# KiCad board Parallel.kicad_pcb
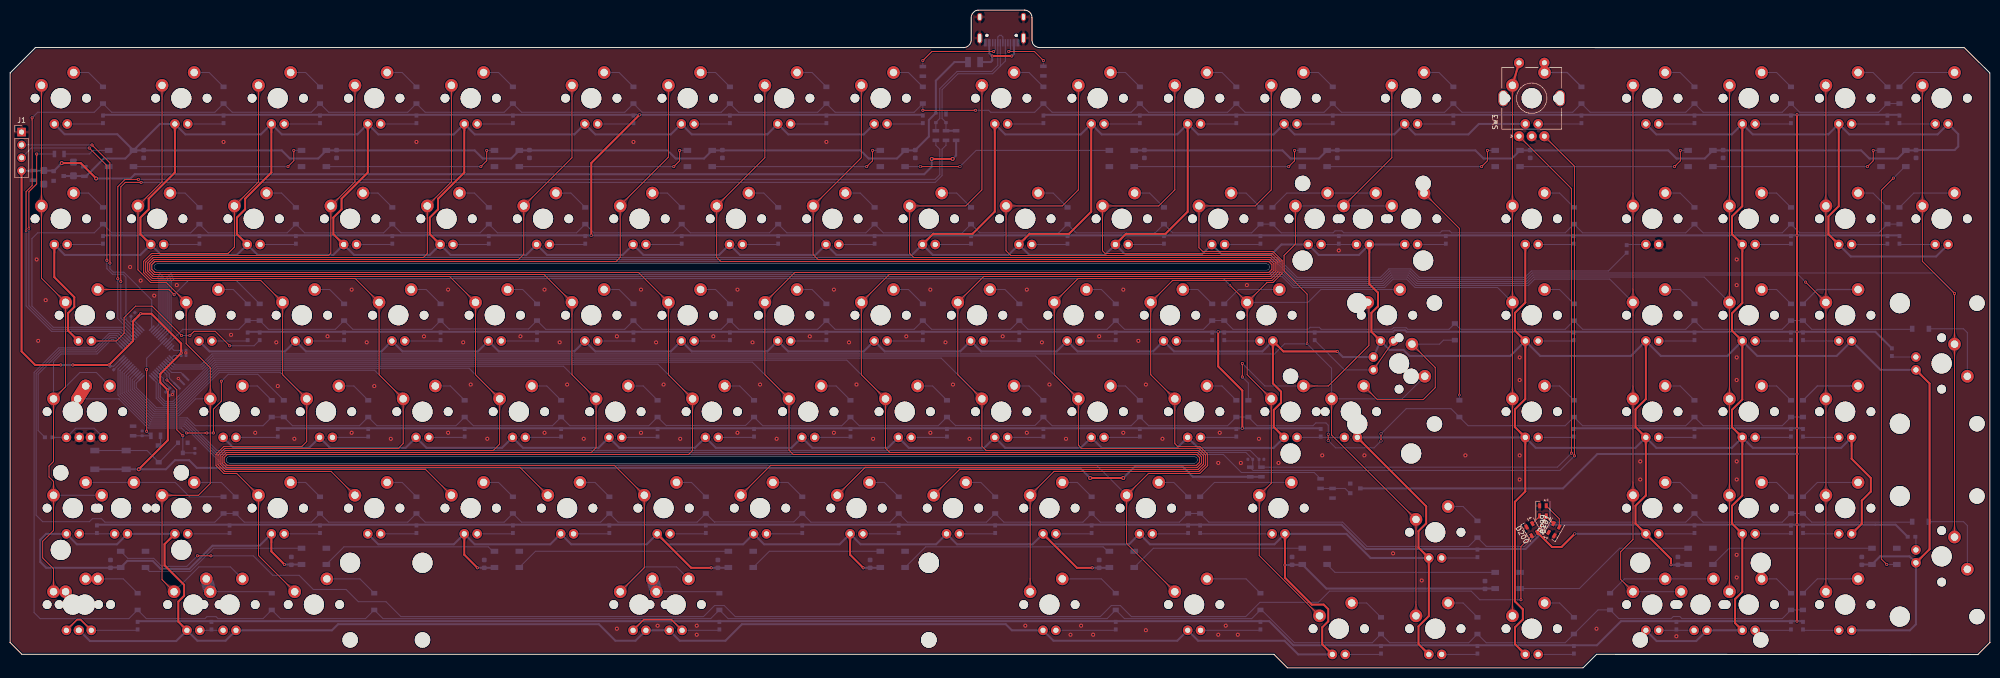
[diagram p0: board, top side]
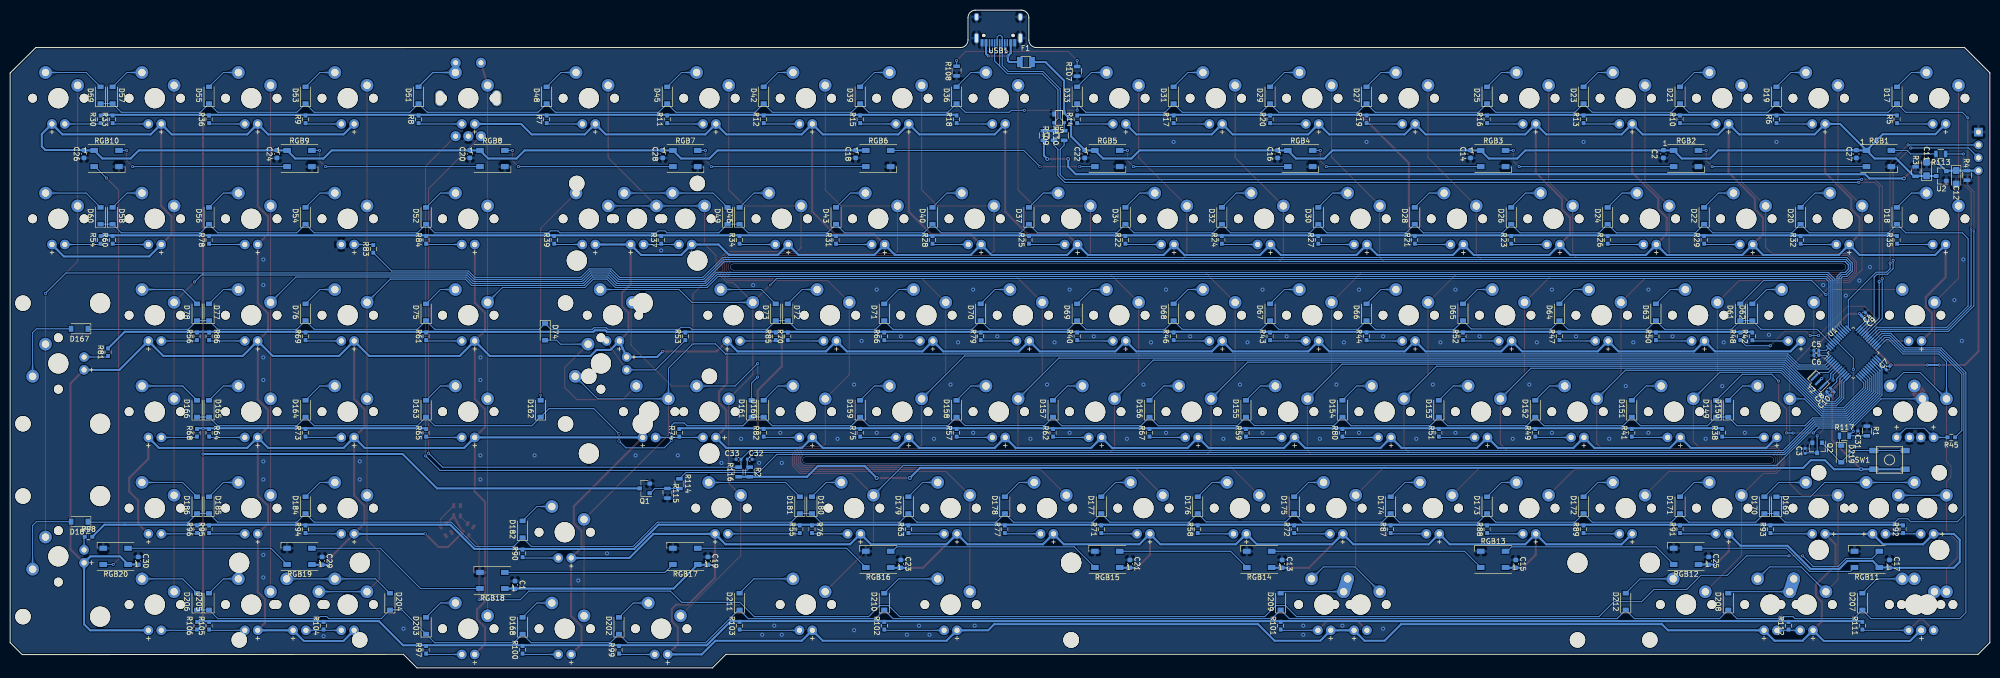
[diagram p1: board, bottom side, seen from below]

Outline 391 x 129.91 mm; copper layers: Top, Bottom. Coordinates in mm from the lower left corner of the outline.
Outline path: 0,117.51 5,122.51 188.31,122.51 arc(189.37,122.95) 189.81,124.01 189.81,128.41 arc(190.25,129.48) 191.31,129.91 200.32,129.91 arc(201.38,129.48) 201.82,128.41 201.82,124.01 arc(202.26,122.95) 203.32,122.51 385.92,122.51 391,117.48 391,5.01 388.62,2.62 313.31,2.68 310.63,0 252.29,0 249.61,2.68 2.33,2.68 0,5.01 0,117.51 ; 29.05,78.55 arc(28.42,79.18) 29.05,79.8 248.12,79.8 arc(248.75,79.18) 248.12,78.55 29.05,78.55 ; 43.34,40.43 233.84,40.43 arc(234.49,41.08) 233.84,41.73 43.34,41.73 arc(42.69,41.08) 43.34,40.43

## Placement (name value [footprint] x y rotation side)
C1  0.1uF  [C_0603_1608Metric]  291.29 16.37 270 bottom
C2  0.1uF  [C_0603_1608Metric]  64.47 101.5 270 bottom
C3  100nF  [C_0402_1005Metric]  36.49 42.86 270 bottom
C4  10uF  [C_0402_1005Metric]  24.96 69.84 315 bottom
C5  0.1uF  [C_0402_1005Metric]  34.26 62.71 180 bottom
C6  0.1uF  [C_0402_1005Metric]  34.26 61.71 180 bottom
C7  0.1uF  [C_0402_1005Metric]  20.12 59.23 135 bottom
C8  10nF  [C_0402_1005Metric]  31.86 54.9 135 bottom
C9  0.1uF  [C_0402_1005Metric]  24.21 69.09 315 bottom
C10  1uF  [C_0402_1005Metric]  31.11 54.15 135 bottom
C11  1uF  [CP_EIA-3216-10_Kemet-I]  12.51 98.54 90 bottom
C12  1uF  [CP_EIA-3216-10_Kemet-I]  6.67 96.89 270 bottom
C13  0.1uF  [C_0603_1608Metric]  139.78 20.54 270 bottom
C14  0.1uF  [C_0603_1608Metric]  102.57 101.5 270 bottom
C15  0.1uF  [C_0603_1608Metric]  93.64 20.54 270 bottom
C16  0.1uF  [C_0603_1608Metric]  140.67 101.5 270 bottom
C17  0.1uF  [C_0603_1608Metric]  19.82 20.54 270 bottom
C18  0.1uF  [C_0603_1608Metric]  224.02 101.5 270 bottom
C19  0.1uF  [C_0603_1608Metric]  253.19 21.13 270 bottom
C20  0.1uF  [C_0603_1608Metric]  300.22 101.5 270 bottom
C21  0.1uF  [C_0603_1608Metric]  169.84 20.54 270 bottom
C22  0.1uF  [C_0603_1608Metric]  178.77 101.5 270 bottom
C23  0.1uF  [C_0603_1608Metric]  215.09 20.54 270 bottom
C24  0.1uF  [C_0603_1608Metric]  338.32 101.5 270 bottom
C25  0.1uF  [C_0603_1608Metric]  55.54 21.13 270 bottom
C26  0.1uF  [C_0603_1608Metric]  376.42 101.5 270 bottom
C27  0.1uF  [C_0603_1608Metric]  26.37 101.5 90 bottom
C28  0.1uF  [C_0603_1608Metric]  262.12 101.5 270 bottom
C29  0.1uF  [C_0603_1608Metric]  329.39 21.13 270 bottom
C30  0.1uF  [C_0603_1608Metric]  365.7 21.13 90 bottom
C31  10uF (±5%)  [C_0402_1005Metric]  26.07 46.32 90 bottom
C32  0.01uF  [C_0402_1005Metric]  244.93 41.2 180 bottom
C33  0.01uF  [C_0402_1005Metric]  247.13 41.2 180 bottom
D1  LED  [MXOnly-LEDONLY]  10 112.51 0 top
D2  LED  [MXOnly-LEDONLY]  33.81 112.51 0 top
D3  LED  [MXOnly-LEDONLY]  276.7 112.51 0 top
D4  LED  [MXOnly-LEDONLY]  300.51 112.51 0 top
D5  LED  [MXOnly-LEDONLY]  324.32 112.51 0 top
D6  LED  [MXOnly-LEDONLY]  52.86 112.51 0 top
D7  LED  [MXOnly-LEDONLY]  252.89 112.51 0 top
D8  LED  [MXOnly-LEDONLY]  233.84 112.51 0 top
D9  LED  [MXOnly-LEDONLY]  71.91 112.51 0 top
D10  LED  [MXOnly-LEDONLY]  171.92 112.51 0 top
D11  LED  [MXOnly-LEDONLY]  214.79 112.51 0 top
D12  LED  [MXOnly-LEDONLY]  90.96 112.51 0 top
D13  LED  [MXOnly-LEDONLY]  152.87 112.51 0 top
D14  LED  [MXOnly-LEDONLY]  195.74 112.51 0 top
D15  LED  [MXOnly-LEDONLY]  114.77 112.51 0 top
D16  LED  [MXOnly-LEDONLY]  133.82 112.51 0 top
D17  D  [D_SOD-123]  18.33 113.11 90 bottom
D18  D  [D_SOD-123]  18.33 89.3 90 bottom
D19  D  [D_SOD-123]  42.15 113.11 90 bottom
D20  D  [D_SOD-123]  37.38 89.3 90 bottom
D21  D  [D_SOD-123]  61.2 113.11 90 bottom
D22  D  [D_SOD-123]  56.43 89.3 90 bottom
D23  D  [D_SOD-123]  80.25 113.11 90 bottom
D24  D  [D_SOD-123]  75.48 89.3 90 bottom
D25  D  [D_SOD-123]  99.3 113.11 90 bottom
D26  D  [D_SOD-123]  94.53 89.3 90 bottom
D27  D  [D_SOD-123]  123.11 113.11 90 bottom
D28  D  [D_SOD-123]  113.58 89.3 90 bottom
D29  D  [D_SOD-123]  142.16 113.11 90 bottom
D30  D  [D_SOD-123]  132.63 89.3 90 bottom
D31  D  [D_SOD-123]  161.21 113.11 90 bottom
D32  D  [D_SOD-123]  151.68 89.3 90 bottom
D33  D  [D_SOD-123]  180.26 113.11 90 bottom
D34  D  [D_SOD-123]  170.73 89.3 90 bottom
D35  LED  [MXOnly-LEDONLY]  131.44 12.5 0 top
D36  D  [D_SOD-123]  204.07 113.11 90 bottom
D37  D  [D_SOD-123]  189.78 89.3 90 bottom
D38  LED  [MXOnly-LEDONLY-FLIPPED]  124.3 12.5 0 top
D39  D  [D_SOD-123]  223.12 113.11 90 bottom
D40  D  [D_SOD-123]  208.83 89.3 90 bottom
D41  LED  [MXOnly-LEDONLY]  205.26 12.5 0 top
D42  D  [D_SOD-123]  242.17 113.11 90 bottom
D43  D  [D_SOD-123]  227.88 89.3 90 bottom
D44  LED  [MXOnly-LEDONLY]  233.84 12.5 0 top
D45  D  [D_SOD-123]  261.22 113.11 90 bottom
D46  D  [D_SOD-123]  246.93 89.3 90 bottom
D47  LED  [MXOnly-LEDONLY]  324.33 12.5 0 top
D48  D  [D_SOD-123]  285.03 113.11 90 bottom
D49  D  [D_SOD-123]  249.32 89.3 90 bottom
D50  LED  [MXOnly-LEDONLY-FLIPPED]  333.85 12.5 0 top
D51  D  [D_SOD-123]  310.34 113.11 90 bottom
D52  D  [D_SOD-123]  308.85 89.3 90 bottom
D53  D  [D_SOD-123]  332.66 113.11 90 bottom
D54  D  [D_SOD-123]  332.66 89.3 90 bottom
D55  D  [D_SOD-123]  351.71 113.11 90 bottom
D56  D  [D_SOD-123]  351.71 89.3 90 bottom
D57  D  [D_SOD-123]  370.76 113.11 90 bottom
D58  D  [D_SOD-123]  370.76 89.3 90 bottom
D59  D  [D_SOD-123]  373.14 113.11 90 bottom
D60  D  [D_SOD-123]  373.14 89.3 90 bottom
D61  D  [D_SOD-123]  49.29 70.25 90 bottom
D62  D  [D_SOD-123]  46.91 70.25 90 bottom
D63  D  [D_SOD-123]  65.96 70.25 90 bottom
D64  D  [D_SOD-123]  85.01 70.25 90 bottom
D65  D  [D_SOD-123]  104.06 70.25 90 bottom
D66  D  [D_SOD-123]  123.11 70.25 90 bottom
D67  D  [D_SOD-123]  142.16 70.25 90 bottom
D68  D  [D_SOD-123]  161.21 70.25 90 bottom
D69  D  [D_SOD-123]  180.26 70.25 90 bottom
D70  D  [D_SOD-123]  199.31 70.25 90 bottom
D71  D  [D_SOD-123]  218.36 70.25 90 bottom
D72  D  [D_SOD-123]  237.41 70.25 90 bottom
D73  D  [D_SOD-123]  239.79 70.25 90 bottom
D74  D  [D_SOD-123]  285.33 66.38 270 bottom
D75  D  [D_SOD-123]  308.85 70.25 90 bottom
D76  D  [D_SOD-123]  332.66 70.25 90 bottom
D77  D  [D_SOD-123]  351.71 70.25 90 bottom
D78  D  [D_SOD-123]  354.09 70.25 90 bottom
D79  LED  [MXOnly-LEDONLY]  105.25 88.7 0 top
D80  LED  [MXOnly-LEDONLY]  162.4 88.7 0 top
D81  LED  [MXOnly-LEDONLY]  86.2 88.7 0 top
D82  LED  [MXOnly-LEDONLY]  143.35 88.7 0 top
D83  LED  [MXOnly-LEDONLY]  181.45 88.7 0 top
D84  LED  [MXOnly-LEDONLY]  67.15 88.7 0 top
D85  LED  [MXOnly-LEDONLY]  124.3 88.7 0 top
D86  LED  [MXOnly-LEDONLY]  200.5 88.7 0 top
D87  LED  [MXOnly-LEDONLY]  48.1 88.7 0 top
D88  LED  [MXOnly-LEDONLY-FLIPPED]  381.47 112.51 0 top
D89  LED  [MXOnly-LEDONLY]  219.55 88.7 0 top
D90  LED  [MXOnly-LEDONLY]  29.05 88.7 0 top
D91  LED  [MXOnly-LEDONLY]  362.42 112.51 0 top
D92  LED  [MXOnly-LEDONLY]  238.6 88.7 0 top
D93  LED  [MXOnly-LEDONLY]  10 88.7 0 top
D94  LED  [MXOnly-LEDONLY]  343.37 112.51 0 top
D95  LED  [MXOnly-LEDONLY]  257.65 88.7 0 top
D96  LED  [MXOnly-LEDONLY]  43.34 50.6 0 top
D97  LED  [MXOnly-LEDONLY]  276.7 88.7 0 top
D98  LED  [MXOnly-LEDONLY]  171.93 69.65 0 top
D99  LED  [MXOnly-LEDONLY]  62.39 50.6 0 top
D100  LED  [MXOnly-LEDONLY]  38.57 69.65 0 top
D101  LED  [MXOnly-LEDONLY]  133.82 69.65 0 top
D102  LED  [MXOnly-LEDONLY]  114.78 69.65 0 top
D103  LED  [MXOnly-LEDONLY]  12.38 50.6 0 top
D104  LED  [MXOnly-LEDONLY]  152.88 69.65 0 top
D105  LED  [MXOnly-LEDONLY]  76.67 69.65 0 top
D106  LED  [MXOnly-LEDONLY]  14.76 69.65 0 top
D107  LED  [MXOnly-LEDONLY]  81.44 50.6 0 top
D108  LED  [MXOnly-LEDONLY]  57.62 69.65 0 top
D109  LED  [MXOnly-LEDONLY]  100.49 50.6 0 top
D110  LED  [MXOnly-LEDONLY]  95.72 69.65 0 top
D111  LED  [MXOnly-LEDONLY-FLIPPED]  267.18 88.7 0 top
D112  LED  [MXOnly-LEDONLY-FLIPPED]  17.14 50.6 0 top
D113  LED  [MXOnly-LEDONLY]  274.32 60.13 270 top
D114  LED  [MXOnly-LEDONLY]  271.94 69.65 0 top
D115  LED  [MXOnly-LEDONLY]  343.37 69.65 0 top
D116  LED  [MXOnly-LEDONLY-FLIPPED]  381.47 88.7 0 top
D117  LED  [MXOnly-LEDONLY-FLIPPED]  250.51 31.55 0 top
D118  LED  [MXOnly-LEDONLY-FLIPPED]  362.42 69.65 0 top
D119  LED  [MXOnly-LEDONLY]  195.74 50.6 0 top
D120  LED  [MXOnly-LEDONLY]  148.11 31.55 0 top
D121  LED  [MXOnly-LEDONLY]  138.59 50.6 0 top
D122  LED  [MXOnly-LEDONLY]  362.42 88.7 0 top
D123  LED  [MXOnly-LEDONLY]  300.51 69.65 0 top
D124  LED  [MXOnly-LEDONLY]  176.69 50.6 0 top
D125  LED  [MXOnly-LEDONLY]  205.26 31.55 0 top
D126  LED  [MXOnly-LEDONLY]  343.38 50.6 0 top
D127  LED  [MXOnly-LEDONLY]  300.51 50.6 0 top
D128  LED  [MXOnly-LEDONLY]  210.02 69.65 0 top
D129  LED  [MXOnly-LEDONLY]  157.64 50.6 0 top
D130  LED  [MXOnly-LEDONLY-FLIPPED]  362.43 50.6 0 top
D131  LED  [MXOnly-LEDONLY]  324.32 69.65 0 top
D132  LED  [MXOnly-LEDONLY-FLIPPED]  264.79 50.6 0 top
D133  LED  [MXOnly-LEDONLY]  229.07 69.65 0 top
D134  LED  [MXOnly-LEDONLY-FLIPPED]  248.12 69.65 0 top
D135  LED  [MXOnly-LEDONLY]  167.16 31.55 0 top
D136  LED  [MXOnly-LEDONLY]  129.06 31.55 0 top
D137  LED  [MXOnly-LEDONLY]  324.32 50.6 0 top
D138  LED  [MXOnly-LEDONLY]  252.89 50.6 0 top
D139  LED  [MXOnly-LEDONLY]  214.79 50.6 0 top
D140  LED  [MXOnly-LEDONLY]  224.31 31.55 0 top
D141  LED  [MXOnly-LEDONLY]  186.21 31.55 0 top
D142  LED  [MXOnly-LEDONLY]  343.37 88.7 0 top
D143  LED  [MXOnly-LEDONLY]  190.97 69.65 0 top
D144  LED  [MXOnly-LEDONLY]  119.54 50.6 0 top
D145  LED  [MXOnly-LEDONLY-FLIPPED]  381.48 60.13 270 top
D146  LED  [MXOnly-LEDONLY]  233.84 50.6 0 top
D147  LED  [MXOnly-LEDONLY]  324.32 88.7 0 top
D148  LED  [MXOnly-LEDONLY]  300.51 88.7 0 top
D149  D  [D_SOD-123]  54.05 51.2 90 bottom
D150  D  [D_SOD-123]  51.67 51.2 90 bottom
D151  D  [D_SOD-123]  70.72 51.2 90 bottom
D152  D  [D_SOD-123]  89.77 51.2 90 bottom
D153  D  [D_SOD-123]  108.82 51.2 90 bottom
D154  D  [D_SOD-123]  127.87 51.2 90 bottom
D155  D  [D_SOD-123]  146.92 51.2 90 bottom
D156  D  [D_SOD-123]  165.97 51.2 90 bottom
D157  D  [D_SOD-123]  185.02 51.2 90 bottom
D158  D  [D_SOD-123]  204.07 51.2 90 bottom
D159  D  [D_SOD-123]  223.12 51.2 90 bottom
D160  D  [D_SOD-123]  242.17 51.2 90 bottom
D161  D  [D_SOD-123]  244.55 51.2 90 bottom
D162  D  [D_SOD-123]  286.23 51.2 90 bottom
D163  D  [D_SOD-123]  308.85 51.2 90 bottom
D164  D  [D_SOD-123]  332.66 51.2 90 bottom
D165  D  [D_SOD-123]  351.71 51.2 90 bottom
D166  D  [D_SOD-123]  354.09 51.2 90 bottom
D167  D  [D_SOD-123]  377.31 66.97 0 bottom
D168  D  [D_SOD-123]  289.8 8.33 90 bottom
D169  D  [D_SOD-123]  42.15 32.15 90 bottom
D170  D  [D_SOD-123]  44.53 32.15 90 bottom
D171  D  [D_SOD-123]  61.2 32.15 90 bottom
D172  D  [D_SOD-123]  80.25 32.15 90 bottom
D173  D  [D_SOD-123]  99.3 32.15 90 bottom
D174  D  [D_SOD-123]  118.35 32.15 90 bottom
D175  D  [D_SOD-123]  137.4 32.15 90 bottom
D176  D  [D_SOD-123]  156.45 32.15 90 bottom
D177  D  [D_SOD-123]  175.5 32.15 90 bottom
D178  D  [D_SOD-123]  194.55 32.15 90 bottom
D179  D  [D_SOD-123]  213.6 32.15 90 bottom
D180  D  [D_SOD-123]  232.65 32.15 90 bottom
D181  D  [D_SOD-123]  235.03 32.15 90 bottom
D182  D  [D_SOD-123]  289.8 27.38 90 bottom
D183  LED  [MXOnly-LEDONLY-FLIPPED]  12.38 12.5 0 top
D184  D  [D_SOD-123]  332.66 32.15 90 bottom
D185  D  [D_SOD-123]  351.71 32.15 90 bottom
D186  D  [D_SOD-123]  354.09 32.15 90 bottom
D187  D  [D_SOD-123]  377.31 28.87 0 bottom
D188  LED  [MXOnly-LEDONLY]  110.01 31.55 0 top
D189  LED  [MXOnly-LEDONLY]  90.96 31.55 0 top
D190  LED  [MXOnly-LEDONLY]  71.91 31.55 0 top
D191  LED  [MXOnly-LEDONLY]  281.46 26.79 0 top
D192  LED  [MXOnly-LEDONLY]  52.86 31.55 0 top
D193  LED  [MXOnly-LEDONLY]  12.38 31.55 0 top
D194  LED  [MXOnly-LEDONLY-FLIPPED]  21.91 31.55 0 top
D195  LED  [MXOnly-LEDONLY]  33.81 31.55 0 top
D196  LED  [MXOnly-LEDONLY]  324.33 31.55 0 top
D197  LED  [MXOnly-LEDONLY]  343.38 31.55 0 top
D198  LED  [MXOnly-LEDONLY-FLIPPED]  362.43 31.55 0 top
D199  SK6805  [LED_SK6805_PLCC4_2.4x2.7mm_P1.3mm]  302.73 31.01 270 top
D200  SK6805  [LED_SK6805_PLCC4_2.4x2.7mm_P1.3mm]  300.57 27.29 300 top
D201  SK6805  [LED_SK6805_PLCC4_2.4x2.7mm_P1.3mm]  304.9 27.29 60 top
D202  D  [D_SOD-123]  270.75 8.33 90 bottom
D203  D  [D_SOD-123]  308.85 8.33 90 bottom
D204  D  [D_SOD-123]  315.99 13.1 90 bottom
D205  D  [D_SOD-123]  351.71 13.1 90 bottom
D206  D  [D_SOD-123]  354.09 13.1 90 bottom
D207  D  [D_SOD-123]  25.18 13.1 90 bottom
D208  D  [D_SOD-123]  51.67 13.1 90 bottom
D209  D  [D_SOD-123]  140.08 13.1 90 bottom
D210  D  [D_SOD-123]  218.36 13.1 90 bottom
D211  D  [D_SOD-123]  246.93 13.1 90 bottom
D212  D  [D_SOD-123]  71.91 13.1 90 bottom
D213  LED  [MXOnly-LEDONLY]  300.51 7.74 0 top
D214  LED  [MXOnly-LEDONLY-FLIPPED]  381.48 22.03 270 top
D215  LED  [MXOnly-LEDONLY]  262.41 7.74 0 top
D216  LED  [MXOnly-LEDONLY]  281.46 7.74 0 top
D217  LED  [MXOnly-LEDONLY]  343.38 12.5 0 top
D218  LED  [MXOnly-LEDONLY-FLIPPED]  362.43 12.5 0 top
D219  D  [D_SOD-123]  29.35 42.27 270 bottom
D222  LED  [MXOnly-LEDONLY]  14.76 12.5 0 top
D223  LED  [MXOnly-LEDONLY]  36.19 12.5 0 top
D224  LED  [MXOnly-LEDONLY-FLIPPED]  43.34 12.5 0 top
F1  1206 @ 500mA  [Fuse_SMD1206_Reflow]  190.38 119.66 180 bottom
G***  LOGO  [parallel]  168.16 12.46 0 top
G***#2  LOGO  [Nuxroslogo25x19-F.Cu]  88.28 11.91 0 top
G***#3  LOGO  [sanpjxlogo]  105.85 12.2 0 top
G***#4  LOGO  [CreKrush]  92.15 13.69 180 bottom
J1  Conn_01x04_Female  [PinHeader_1x04_P2.54mm_Vertical]  2.26 105.83 0 top
MX1  MX-NoLED-MX_Alps_Hybrid  [MXOnly-1U-NoLED]  10 112.51 0 top
MX2  MX-NoLED-MX_Alps_Hybrid  [MXOnly-1U-NoLED]  33.81 112.51 0 top
MX3  MX-NoLED-MX_Alps_Hybrid  [MXOnly-1U-NoLED]  52.86 112.51 0 top
MX4  MX-NoLED-MX_Alps_Hybrid  [MXOnly-1U-NoLED]  71.91 112.51 0 top
MX5  MX-NoLED-MX_Alps_Hybrid  [MXOnly-1U-NoLED]  90.96 112.51 0 top
MX6  MX-NoLED-MX_Alps_Hybrid  [MXOnly-1U-NoLED]  114.77 112.51 0 top
MX7  MX-NoLED-MX_Alps_Hybrid  [MXOnly-1U-NoLED]  133.82 112.51 0 top
MX8  MX-NoLED-MX_Alps_Hybrid  [MXOnly-1U-NoLED]  152.87 112.51 0 top
MX9  MX-NoLED-MX_Alps_Hybrid  [MXOnly-1U-NoLED]  171.92 112.51 0 top
MX10  MX-NoLED-MX_Alps_Hybrid  [MXOnly-1U-NoLED]  195.74 112.51 0 top
MX11  MX-NoLED-MX_Alps_Hybrid  [MXOnly-1U-NoLED]  214.79 112.51 0 top
MX12  MX-NoLED-MX_Alps_Hybrid  [MXOnly-1U-NoLED]  233.84 112.51 0 top
MX13  MX-NoLED-MX_Alps_Hybrid  [MXOnly-1U-NoLED]  252.89 112.51 0 top
MX14  MX-NoLED-MX_Alps_Hybrid  [MXOnly-1U-NoLED]  276.7 112.51 0 top
MX15  MX-NoLED-MX_Alps_Hybrid  [MXOnly-1U-NoLED]  300.51 112.51 0 top
MX16  MX-NoLED-MX_Alps_Hybrid  [MXOnly-1U-NoLED]  324.32 112.51 0 top
MX17  MX-NoLED-MX_Alps_Hybrid  [MXOnly-1U-NoLED]  343.37 112.51 0 top
MX18  MX-NoLED-MX_Alps_Hybrid  [MXOnly-1U-NoLED]  362.42 112.51 0 top
MX19  MX-NoLED-MX_Alps_Hybrid  [MXOnly-1U-NoLED]  381.47 112.51 0 top
MX20  MX-NoLED-MX_Alps_Hybrid  [MXOnly-1U-NoLED]  10 88.7 0 top
MX21  MX-NoLED-MX_Alps_Hybrid  [MXOnly-1U-NoLED]  29.05 88.7 0 top
MX22  MX-NoLED-MX_Alps_Hybrid  [MXOnly-1U-NoLED]  48.1 88.7 0 top
MX23  MX-NoLED-MX_Alps_Hybrid  [MXOnly-1U-NoLED]  67.15 88.7 0 top
MX24  MX-NoLED-MX_Alps_Hybrid  [MXOnly-1U-NoLED]  86.2 88.7 0 top
MX25  MX-NoLED-MX_Alps_Hybrid  [MXOnly-1U-NoLED]  105.25 88.7 0 top
MX26  MX-NoLED-MX_Alps_Hybrid  [MXOnly-1U-NoLED]  124.3 88.7 0 top
MX27  MX-NoLED-MX_Alps_Hybrid  [MXOnly-1U-NoLED]  143.35 88.7 0 top
MX28  MX-NoLED-MX_Alps_Hybrid  [MXOnly-1U-NoLED]  162.4 88.7 0 top
MX29  MX-NoLED-MX_Alps_Hybrid  [MXOnly-1U-NoLED]  181.45 88.7 0 top
MX30  MX-NoLED-MX_Alps_Hybrid  [MXOnly-1U-NoLED]  200.5 88.7 0 top
MX31  MX-NoLED-MX_Alps_Hybrid  [MXOnly-1U-NoLED]  219.55 88.7 0 top
MX32  MX-NoLED-MX_Alps_Hybrid  [MXOnly-1U-NoLED]  238.6 88.7 0 top
MX33  MX-NoLED-MX_Alps_Hybrid  [MXOnly-1U-NoLED]  257.65 88.7 0 top
MX34  MX-NoLED-MX_Alps_Hybrid  [MXOnly-1U-NoLED]  300.51 88.7 0 top
MX35  MX-NoLED-MX_Alps_Hybrid  [MXOnly-1U-NoLED]  324.32 88.7 0 top
MX36  MX-NoLED-MX_Alps_Hybrid  [MXOnly-1U-NoLED]  343.37 88.7 0 top
MX37  MX-NoLED-MX_Alps_Hybrid  [MXOnly-1U-NoLED]  362.42 88.7 0 top
MX38  MX-NoLED-MX_Alps_Hybrid  [MXOnly-1U-NoLED]  381.47 88.7 0 top
MX39  MX-NoLED-MX_Alps_Hybrid  [MXOnly-1.5U-NoLED]  14.76 69.65 0 top
MX40  MX-NoLED-MX_Alps_Hybrid  [MXOnly-1U-NoLED]  38.57 69.65 0 top
MX41  MX-NoLED-MX_Alps_Hybrid  [MXOnly-1U-NoLED]  57.62 69.65 0 top
MX42  MX-NoLED-MX_Alps_Hybrid  [MXOnly-1U-NoLED]  76.67 69.65 0 top
MX43  MX-NoLED-MX_Alps_Hybrid  [MXOnly-1U-NoLED]  95.72 69.65 0 top
MX44  MX-NoLED-MX_Alps_Hybrid  [MXOnly-1U-NoLED]  114.77 69.65 0 top
MX45  MX-NoLED-MX_Alps_Hybrid  [MXOnly-1U-NoLED]  133.82 69.65 0 top
MX46  MX-NoLED-MX_Alps_Hybrid  [MXOnly-1U-NoLED]  152.87 69.65 0 top
MX47  MX-NoLED-MX_Alps_Hybrid  [MXOnly-1U-NoLED]  171.92 69.65 0 top
MX48  MX-NoLED-MX_Alps_Hybrid  [MXOnly-1U-NoLED]  190.97 69.65 0 top
MX49  MX-NoLED-MX_Alps_Hybrid  [MXOnly-1U-NoLED]  210.02 69.65 0 top
MX50  MX-NoLED-MX_Alps_Hybrid  [MXOnly-1U-NoLED]  229.07 69.65 0 top
MX51  MX-NoLED-MX_Alps_Hybrid  [MXOnly-1U-NoLED]  248.12 69.65 0 top
MX52  MX-NoLED-MX_Alps_Hybrid  [MXOnly-1U-NoLED]  252.89 50.6 0 top
MX53  MX-NoLED-MX_Alps_Hybrid  [MXOnly-1U-NoLED]  300.51 69.65 0 top
MX54  MX-NoLED-MX_Alps_Hybrid  [MXOnly-1U-NoLED]  324.32 69.65 0 top
MX55  MX-NoLED-MX_Alps_Hybrid  [MXOnly-1U-NoLED]  343.37 69.65 0 top
MX56  MX-NoLED-MX_Alps_Hybrid  [MXOnly-1U-NoLED]  362.42 69.65 0 top
MX57  MX-NoLED-MX_Alps_Hybrid  [MXOnly-2U-NoLED]  381.48 60.13 270 top
MX58  MX-NoLED-MX_Alps_Hybrid  [MXOnly-1.75U-NoLED]  17.14 50.6 0 top
MX59  MX-NoLED-MX_Alps_Hybrid  [MXOnly-2.25U-NoLED]  21.91 31.55 0 top
MX60  MX-NoLED-MX_Alps_Hybrid  [MXOnly-1U-NoLED]  43.34 50.6 0 top
MX61  MX-NoLED-MX_Alps_Hybrid  [MXOnly-1U-NoLED]  33.81 31.55 0 top
MX62  MX-NoLED-MX_Alps_Hybrid  [MXOnly-1U-NoLED]  62.39 50.6 0 top
MX63  MX-NoLED-MX_Alps_Hybrid  [MXOnly-1U-NoLED]  52.86 31.55 0 top
MX64  MX-NoLED-MX_Alps_Hybrid  [MXOnly-1U-NoLED]  81.44 50.6 0 top
MX65  MX-NoLED-MX_Alps_Hybrid  [MXOnly-1U-NoLED]  71.91 31.55 0 top
MX66  MX-NoLED-MX_Alps_Hybrid  [MXOnly-1U-NoLED]  100.49 50.6 0 top
MX67  MX-NoLED-MX_Alps_Hybrid  [MXOnly-1U-NoLED]  90.96 31.55 0 top
MX68  MX-NoLED-MX_Alps_Hybrid  [MXOnly-1U-NoLED]  119.54 50.6 0 top
MX69  MX-NoLED-MX_Alps_Hybrid  [MXOnly-1U-NoLED]  110.01 31.55 0 top
MX70  MX-NoLED-MX_Alps_Hybrid  [MXOnly-1U-NoLED]  138.59 50.6 0 top
MX71  MX-NoLED-MX_Alps_Hybrid  [MXOnly-1U-NoLED]  129.06 31.55 0 top
MX72  MX-NoLED-MX_Alps_Hybrid  [MXOnly-1U-NoLED]  157.64 50.6 0 top
MX73  MX-NoLED-MX_Alps_Hybrid  [MXOnly-1U-NoLED]  148.11 31.55 0 top
MX74  MX-NoLED-MX_Alps_Hybrid  [MXOnly-1U-NoLED]  176.69 50.6 0 top
MX75  MX-NoLED-MX_Alps_Hybrid  [MXOnly-1U-NoLED]  167.16 31.55 0 top
MX76  MX-NoLED-MX_Alps_Hybrid  [MXOnly-1U-NoLED]  195.74 50.6 0 top
MX77  MX-NoLED-MX_Alps_Hybrid  [MXOnly-1U-NoLED]  186.21 31.55 0 top
MX78  MX-NoLED-MX_Alps_Hybrid  [MXOnly-1U-NoLED]  214.79 50.6 0 top
MX79  MX-NoLED-MX_Alps_Hybrid  [MXOnly-1U-NoLED]  205.26 31.55 0 top
MX80  MX-NoLED-MX_Alps_Hybrid  [MXOnly-1U-NoLED]  233.84 50.6 0 top
MX81  MX-NoLED-MX_Alps_Hybrid  [MXOnly-1U-NoLED]  224.31 31.55 0 top
MX82  MX-NoLED-MX_Alps_Hybrid  [MXOnly-ISO-ROTATED-ReversedStabilizers-NoLED]  274.32 60.13 0 top
MX83  MX-NoLED-MX_Alps_Hybrid  [MXOnly-1.75U-NoLED]  250.51 31.55 0 top
MX84  MX-NoLED-MX_Alps_Hybrid  [MXOnly-1U-NoLED]  276.7 88.7 0 top
MX85  MX-NoLED-MX_Alps_Hybrid  [MXOnly-1U-NoLED]  281.46 26.79 0 top
MX86  MX-NoLED-MX_Alps_Hybrid  [MXOnly-1U-NoLED]  300.51 50.6 0 top
MX88  MX-NoLED-MX_Alps_Hybrid  [MXOnly-1U-NoLED]  324.32 50.6 0 top
MX89  MX-NoLED-MX_Alps_Hybrid  [MXOnly-1U-NoLED]  324.33 31.55 0 top
MX90  MX-NoLED-MX_Alps_Hybrid  [MXOnly-1U-NoLED]  343.38 50.6 0 top
MX91  MX-NoLED-MX_Alps_Hybrid  [MXOnly-1U-NoLED]  343.38 31.55 0 top
MX92  MX-NoLED-MX_Alps_Hybrid  [MXOnly-1U-NoLED]  362.43 50.6 0 top
MX93  MX-NoLED-MX_Alps_Hybrid  [MXOnly-1U-NoLED]  362.43 31.55 0 top
MX94  MX-NoLED-MX_Alps_Hybrid  [MXOnly-2U-NoLED]  381.48 22.03 270 top
MX95  MX-NoLED-MX_Alps_Hybrid  [MXOnly-1U-NoLED]  281.46 7.74 0 top
MX96  MX-NoLED-MX_Alps_Hybrid  [MXOnly-2U-NoLED]  267.18 88.7 0 top
MX97  MX-NoLED-MX_Alps_Hybrid  [MXOnly-1.25U-NoLED]  12.38 50.6 0 top
MX98  MX-NoLED-MX_Alps_Hybrid  [MXOnly-1.25U-NoLED]  12.38 31.55 0 top
MX99  MX-NoLED-MX_Alps_Hybrid  [MXOnly-1.5U-NoLED]  271.94 69.65 0 top
MX100  MX-NoLED-MX_Alps_Hybrid  [MXOnly-2.25U-NoLED]  264.79 50.6 0 top
MX101  MX-NoLED-MX_Alps_Hybrid  [MXOnly-1U-NoLED]  262.41 7.74 0 top
MX102  MX-NoLED-MX_Alps_Hybrid  [MXOnly-1U-NoLED]  300.51 7.74 0 top
MX103  MX-NoLED-MX_Alps_Hybrid  [MXOnly-1U-NoLED]  324.33 12.5 0 top
MX104  MX-NoLED-MX_Alps_Hybrid  [MXOnly-1U-NoLED]  343.38 12.5 0 top
MX105  MX-NoLED-MX_Alps_Hybrid  [MXOnly-1U-NoLED]  362.43 12.5 0 top
MX106  MX-NoLED-MX_Alps_Hybrid  [MXOnly-2U-ReversedStabilizers-NoLED]  333.85 12.5 0 top
MX107  MX-NoLED-MX_Alps_Hybrid  [MXOnly-1.5U-NoLED]  14.76 12.5 0 top
MX108  MX-NoLED-MX_Alps_Hybrid  [MXOnly-1.5U-NoLED]  43.34 12.5 0 top
MX109  MX-NoLED-MX_Alps_Hybrid  [MXOnly-7U-ReversedStabilizers-NoLED]  124.3 12.5 0 top
MX110  MX-NoLED-MX_Alps_Hybrid  [MXOnly-1.5U-NoLED]  205.26 12.5 0 top
MX111  MX-NoLED-MX_Alps_Hybrid  [MXOnly-1.5U-NoLED]  233.84 12.5 0 top
MX112  MX-NoLED-MX_Alps_Hybrid  [MXOnly-1.25U-NoLED]  12.38 12.5 0 top
MX113  MX-NoLED-MX_Alps_Hybrid  [MXOnly-1.25U-NoLED]  36.19 12.5 0 top
MX114  MX-NoLED-MX_Alps_Hybrid  [MXOnly-1.25U-NoLED]  60.01 12.5 0 top
MX115  MX-NoLED-MX_Alps_Hybrid  [MXOnly-6.25U-ReversedStabilizers-NoLED]  131.44 12.5 0 top
Q1  2N7002 | SI2308 | AO3400A  [SOT-23]  265.67 35.45 0 bottom
Q2  DTC123J  [SOT-23]  34.11 43.46 270 bottom
R1  1M (±1%)  [R_0805]  24.29 46.79 90 bottom
R2  10k  [R_0805]  244.93 38.7 270 bottom
R3  100k  [R_0805]  14.67 98.04 90 bottom
R4  100k  [R_0805]  4.51 97.27 270 bottom
R5  330R  [C_0603]  18.33 108.35 90 bottom
R6  330R  [C_0603]  42.15 108.35 90 bottom
R7  330R  [C_0603]  285.03 108.35 90 bottom
R8  330R  [C_0603]  310.34 108.35 90 bottom
R9  330R  [C_0603]  332.66 108.35 90 bottom
R10  330R  [C_0603]  61.2 108.35 90 bottom
R11  330R  [C_0603]  261.22 108.35 90 bottom
R12  330R  [C_0603]  242.17 108.35 90 bottom
R13  330R  [C_0603]  80.25 108.35 90 bottom
R14  330R  [C_0603]  180.26 108.35 90 bottom
R15  330R  [C_0603]  223.12 108.35 90 bottom
R16  330R  [C_0603]  99.3 108.35 90 bottom
R17  330R  [C_0603]  161.21 108.35 90 bottom
R18  330R  [C_0603]  204.07 108.35 90 bottom
R19  330R  [C_0603]  123.11 108.35 90 bottom
R20  330R  [C_0603]  142.16 108.35 90 bottom
R21  330R  [C_0603]  113.58 84.53 90 bottom
R22  330R  [C_0603]  170.73 84.53 90 bottom
R23  330R  [C_0603]  94.53 84.53 90 bottom
R24  330R  [C_0603]  151.68 84.53 90 bottom
R25  330R  [C_0603]  189.78 84.53 90 bottom
R26  330R  [C_0603]  75.48 84.53 90 bottom
R27  330R  [C_0603]  132.63 84.53 90 bottom
R28  330R  [C_0603]  208.83 84.53 90 bottom
R29  330R  [C_0603]  56.43 84.53 90 bottom
R30  330R  [C_0603]  373.14 108.35 90 bottom
R31  330R  [C_0603]  227.88 84.53 90 bottom
R32  330R  [C_0603]  37.38 84.53 90 bottom
R33  330R  [C_0603]  370.76 108.35 90 bottom
R34  330R  [C_0603]  246.93 84.53 90 bottom
R35  330R  [C_0603]  18.33 84.53 90 bottom
R36  330R  [C_0603]  351.71 108.35 90 bottom
R37  330R  [C_0603]  262.41 84.53 90 bottom
R38  330R  [C_0603]  52.86 46.43 90 bottom
R39  330R  [C_0603]  283.55 84.53 90 bottom
R40  330R  [C_0603]  180.26 65.48 90 bottom
R41  330R  [C_0603]  70.72 46.43 90 bottom
R42  330R  [C_0603]  46.91 65.48 90 bottom
R43  330R  [C_0603]  142.16 65.48 90 bottom
R44  330R  [C_0603]  123.11 65.48 90 bottom
R45  330R  [C_0603]  7.62 45.54 0 bottom
R46  330R  [C_0603]  161.21 65.48 90 bottom
R47  330R  [C_0603]  85.01 65.48 90 bottom